# KiCad board Rogelio Pineda - connect 7 AMLDC-2044B.kicad_pcb (continued)
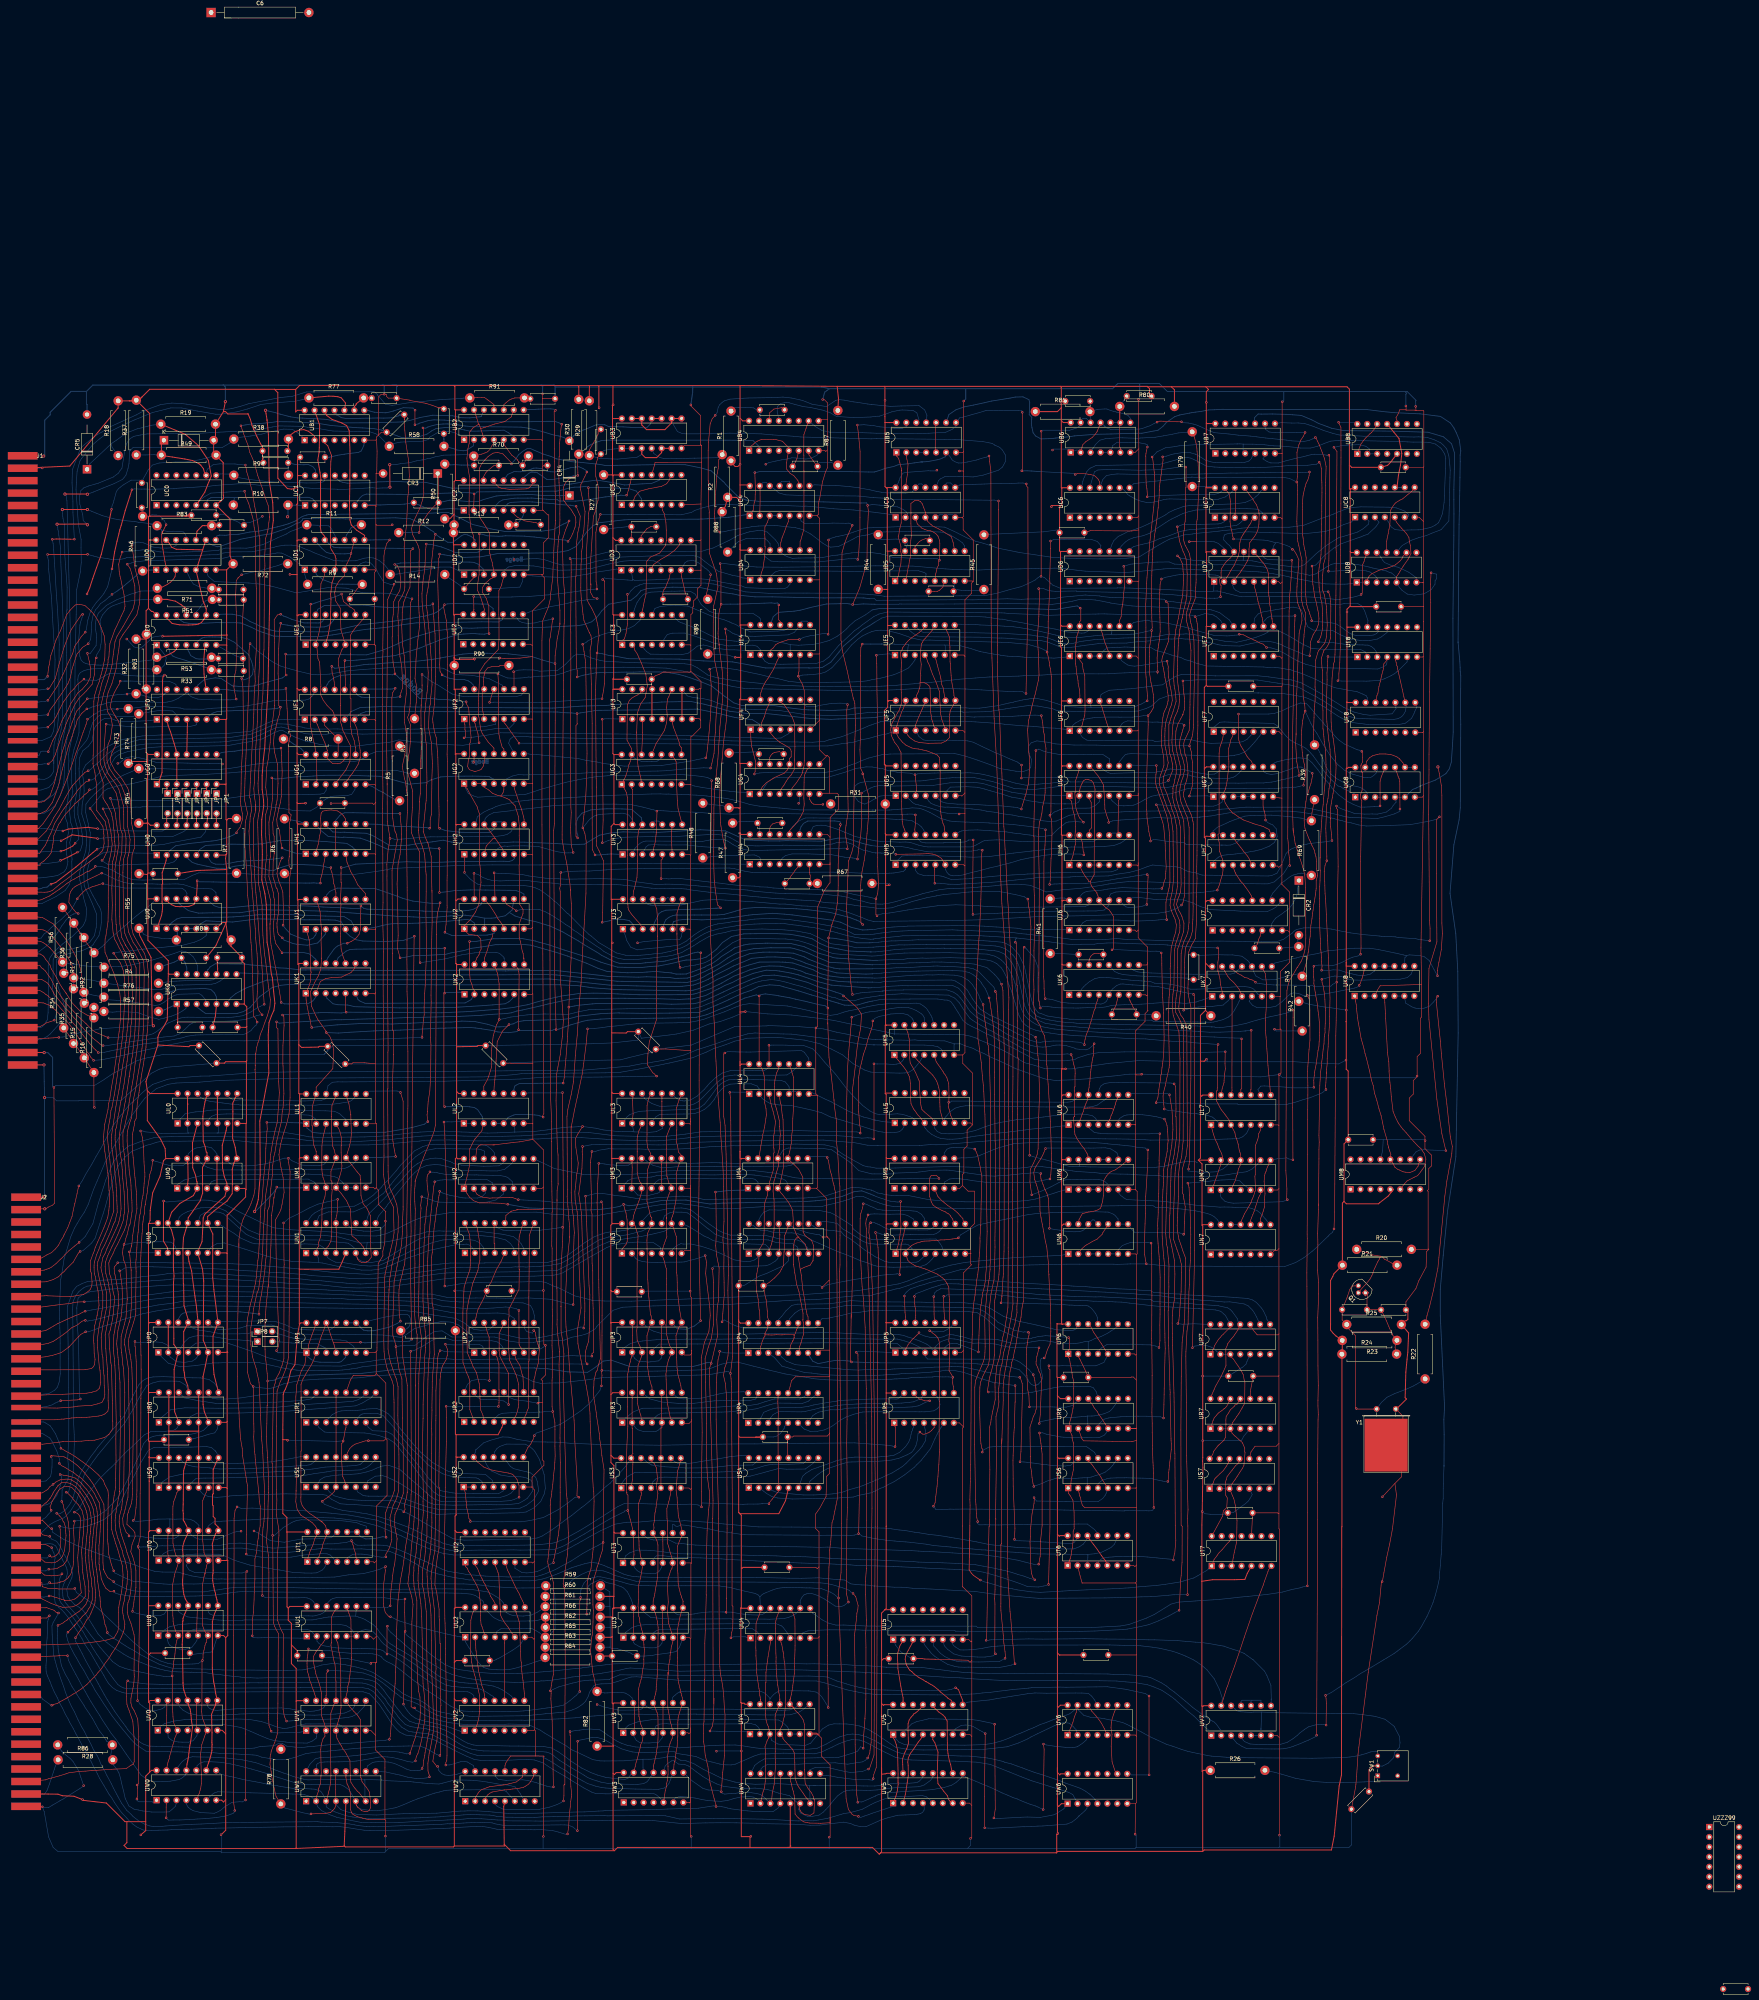
[diagram p0: board, top side]
## Routing (per net, layer and track width the routed paths; a pad name or vN(x,y) marks a point on that pad's centre or on a via; arc(x,y) is an arc through that point) (continued)
  Bottom w0.15: UN3.13 231.4,194.66 230.49,193.71 228.29,193.38 226.71,193.32 224.3,192.86 221.72,191.87 219.42,190.45 214.88,187.12 213.46,186.39 209.89,185.37 204.5,185.27 202.87,185.26 201.78,185.26 193.86,185.26 193.81,185.21 185.11,185.21 182.56,184.97 178.48,184.5 172.17,183.27 168.32,182.69 165.82,182.45 163.99,182.31 155.59,182.78 153.99,182.93 151.21,183.25 149.64,183.44 145.23,183.8 139.97,184.27 136.03,184.62 134.34,184.75 129.3,185.01 128.23,185.05 127.22,185.05 115.46,185.25 114.16,185.24 109.51,185.36 107.5,185.36 106.39,185.3 106.13,185.3 105.02,185.27 102.32,185.3 100.86,185.42 v1(100.02,185.29)
~{DATA4}: length 277.8
  Top w0.15: US3.8 243.9,135.11 243.58,133.73 243.07,132.07 242.7,127.21 242.96,125.22 243.02,123.96 243.15,122.58 243.27,120.67 UT3.8 244.12,115.44 243.87,114.96 243.01,112.8 243.12,108.08 243.08,106.7 243.15,106.01 243.23,103.39 243.46,102.19 243.85,100.62 244.08,100.03 244.14,99.7 244.52,98.81 244.46,98.75 UU3.8 244.01,95.95 243.73,95.04 243.36,93.22 243.25,92.73 243.11,91.75 243.09,90.39 243.09,84.38 243.1,84.36 243.08,83.35 243.16,80.26 243.16,79.13 243.19,79.09 243.34,78.01 243.75,76.3 243.84,75.54 243.98,75.39 244.12,74.79 244.27,74.18 UV3.8 244.05,71.86 243.59,70.48 243.23,69.22 243.17,68.37 243.13,67.85 243.14,67.04 243.14,64.4 243.13,64.13 243.06,63.26 242.97,61.73 242.71,60.52 242.53,59 242.43,58.16 242.3,57.82 242.16,57.16 UW3.9 ; 85.87,105.83 85.89,105.85 v1(85.78,105.85) 85.78,105.74 85.63,105.59 84.63,105.44 83.51,105.36 83.16,105.31 82.62,105.38 81.27,105.52 79.92,106.77 J2.61
  Bottom w0.15: v1(85.78,105.85) 85.26,104.77 85.06,103.94 85.07,101.84 85.05,100.63 85.1,99.2 85.55,98.39 86.29,97.5 86.55,97.18 87.87,95.73 88.47,94.9 89.18,93.88 89.68,93.12 91.24,90.93 91.8,89.9 92.65,88.59 93.52,87.08 94.67,85.31 95.07,84.73 96,83.32 96.63,82.33 97.29,81.32 98.9,79.04 100.07,77.53 100.72,77.07 101.45,76.69 102.49,76.49 103.03,76.47 106.39,76.5 107.74,76.49 108.35,76.51 116.59,76.58 117.55,76.56 118.22,76.59 126.71,76.59 128.03,76.64 138.99,76.7 139.02,76.73 146.71,76.73 146.72,76.75 162.65,76.75 164.13,76.46 165.33,75.76 166.96,73.93 167.87,72.78 169.09,70.95 169.55,70.36 169.91,69.79 171.51,67.75 171.84,67.45 172.56,66.68 173.27,66.25 174.3,65.64 175.43,65.43 177.03,65.21 178.21,65.11 178.83,65.04 179.67,64.91 180.55,64.67 182.74,63.5 184.46,62.69 186.18,61.73 187.22,61.25 189.48,60.27 190.16,59.97 191.83,59.48 193,59.37 201.47,59.39 201.5,59.36 207.21,59.43 208.27,59.18 209.47,58.58 210.31,58.12 211.36,57.5 212.72,56.61 213.24,56.28 214.59,55.51 215.31,54.99 216.66,54.17 217.21,53.84 218.87,52.93 220.09,52.27 221.59,51.78 222.16,51.59 223.67,51.26 224.63,51.13 225.54,51.07 232.34,50.86 233.8,50.84 238.18,50.79 239.61,51.11 240.31,51.57 240.86,52.27 241.25,53.19 241.42,53.69 241.65,54.33 UW3.9
~{DATA5}: length 280.7
  Top w0.15: J2.57 80.66,113.28 81.65,113.28 82.29,112.96 v1(83.15,112.5) 83.16,112.46 ; 240.65,56.67 240.63,56.69 ; 240.63,56.69 240.65,54.68 240.47,53.08 240.26,52.21 240.21,51.46 239.93,50.43 UW3.5 ; 240.63,56.69 240.51,59.22 240.83,61.21 241.17,62.57 241.7,63.82 241.9,65.22 241.52,67.12 241.21,67.98 241.04,69.13 240.57,71.68 240.57,76.26 240.52,77.57 240.6,79.48 240.64,80.68 240.68,80.15 240.84,82.67 241.13,84 241.15,84.97 241.31,85.79 241.48,87.21 241.85,88.4 241.92,89.52 241.58,90.66 240.81,93.14 240.74,93.59 240.49,96.4 240.7,98.64 240.48,102.74 240.65,104.55 240.99,105.61 241.3,106.62 241.66,107.29 UT3.6 241.59,110.11 241.26,111 240.81,112.71 240.49,113.68 240.49,119.25 240.38,119.89 240.33,122.49 240.81,124.21 241.04,125.13 241.21,125.96 241.36,126.95 US3.6
  Bottom w0.15: UW3.5 238.63,48.54 238.22,48.91 237.51,49.47 237.02,49.68 236.09,49.69 224.55,49.64 222.03,49.77 221.12,50.08 219.15,51.13 217.32,52.23 216.37,52.81 214.11,54.23 213.1,54.8 212.07,55.38 210.04,56.63 208.7,57.54 206.46,58.3 204.92,58.4 204.41,58.45 198.44,58.16 192.68,58.19 191.07,58.45 189.17,59.26 188.25,59.68 186.65,60.44 185.54,61.02 184.75,61.46 183.02,62.3 181.57,63.07 180.77,63.46 179.14,63.9 177.97,64.03 174.63,64.55 173.68,64.63 172.98,64.93 172.02,65.43 171.21,66.2 170.1,67.47 168.96,69.31 167.47,71.57 166.83,72.46 165.88,73.58 165.29,74.26 164.34,75.2 162.71,75.71 160.55,75.72 158.59,75.72 157.19,75.75 153.09,75.73 140.49,75.7 137.87,75.71 123.56,75.62 122.42,75.57 121.18,75.6 107.64,75.37 105.09,75.37 103.49,75.33 102.67,75.29 101.41,75.46 99.73,76.07 98.68,76.76 97.65,77.86 96.88,79.11 96.48,79.87 95.64,81.3 94.7,82.85 93.03,85.72 92.53,86.47 91.56,87.93 90.92,89.22 89.57,91.4 88.73,92.54 87.4,94.64 86.32,96.02 85.55,96.8 84.92,97.3 84.04,98.44 83.87,99.88 83.83,102.56 83.84,102.93 83.73,107 83.87,109.02 84.04,109.89 83.7,111.19 83.29,111.91 v1(83.15,112.5)
~{DATA6}: length 276.4
  Top w0.15: 237.61,128.1 237.95,130.15 237.67,132.89 237.11,134 236.28,134.72 US3.11 ; 102.64,78.48 102.66,78.5 v1(102.57,78.5) 102.57,78.41 102.33,78.17 102.25,75.22 102.27,74.53 102.37,72.56 102.51,72.03 102.93,70.95 103.88,68.17 104.25,63.42 104.24,57.82 103.96,57.19 103.43,56.96 102.17,56.08 99.33,55.96 98.37,55.91 94.48,55.64 93.69,55.55 93.38,55.58 91.8,55.44 90.26,55.38 87.57,55.02 86.91,54.8 85.12,54.23 83.02,53.66 82.44,53.53 81.53,53.2 J2.95 ; 237.83,79.49 237.85,79.51 ; 237.85,79.51 237.79,78.67 237.72,77.65 237.61,76.99 237.63,76.39 237.56,75.82 237.44,75.14 237.26,74.52 237.11,73.92 UV3.11 237.55,71.06 237.82,70.48 237.95,69.87 238.06,69.33 238.12,65.19 238.07,63.61 238.01,62.42 237.82,61.31 237.7,60.48 237.61,59.77 237.49,59.1 237.28,58.28 237.07,57.38 236.92,56.89 236.94,56.73 UW3.11 ; 237.85,79.51 237.96,81.26 237.93,82.26 237.98,83.2 238.03,83.91 238.11,92.09 237.96,93.26 237.92,93.7 237.66,94.69 237.43,95.74 237.14,96.18 UU3.11 236.84,98.9 237.05,99.81 237.17,100.26 237.26,100.81 237.43,101.84 237.57,102.7 237.71,103.38 237.94,104.82 238.06,106.58 238.06,113.2 237.78,114.38 237.26,115.36 236.76,115.63 UT3.11 237.06,117.55 236.96,118.42 237.17,119.49 237.29,121.38 237.41,121.76 237.57,122.81 237.83,124.75 238.05,126.38 237.6,128.22
  Bottom w0.15: UW3.11 236.4,54.27 236.19,53.98 235.64,53.18 235.25,52.7 234.41,52.26 232.92,52.05 229.04,52.11 229.03,52.12 228.31,52.21 226.93,52.22 225.34,52.29 223.5,52.63 222.49,52.94 221.33,53.3 220.11,53.79 219.23,54.36 218.09,55.07 217.08,55.63 215.54,56.52 214.46,57.24 212.98,58.17 212.85,58.24 212.72,58.35 211.98,58.92 211.52,59.33 210.57,59.96 209.6,60.3 207.47,60.5 193.51,60.59 191.77,60.82 190.46,61.04 189.17,61.46 188.29,61.85 187.32,62.42 186.34,63.04 184.61,64.08 183.31,64.7 181.73,65.44 179.56,66.05 178.85,66.25 176.56,66.55 174.77,66.84 173.5,67.35 172.1,68.8 171.89,69.07 171.54,69.51 171.24,69.97 170.69,70.63 169.9,71.73 169.11,72.67 168.3,73.98 167.76,74.53 167.41,74.94 166.89,75.5 166.34,76.22 165.62,76.83 165.09,77.17 163.9,77.64 162.52,77.95 153.05,78.12 152.26,78.11 142.39,78.08 142.35,78.04 136.07,77.99 135.85,78 133.77,78 133.05,77.95 132.32,77.97 131.16,77.94 126.83,77.82 125.1,77.78 113.91,77.62 113.89,77.64 112.84,77.6 111.48,77.57 110.8,77.62 107.33,77.71 106.3,77.84 105.12,77.98 103.89,78.15 102.99,78.22 v1(102.57,78.5)
~{DATA7}: length 259.2
  Top w0.15: 82.68,115.38 82.67,115.38 v1(82.65,115.4) 82.63,115.38 81.33,115.69 80.86,115.79 80.36,116.29 J2.55 ; UW3.13 232.24,56.59 232.5,57.74 232.76,58.46 233.11,59.86 233.58,61.65 233.62,62.11 234.14,63.25 UV3.3 234.11,66.36 233.61,67.54 233.4,68.66 233.22,69.42 233.19,69.53 233.2,70.61 233.15,71.17 233.17,72.95 233.05,76.24 233.44,77.76 233.72,78.74 233.96,79.54 233.94,79.64 234.2,81.61 234.46,82.59 234.46,83.93 234.44,83.96 234.61,86.5 234.51,87.05 234.48,87.77 UU3.3 234.13,90.91 233.84,91.76 233.7,92.46 233.43,93.47 233.37,94.45 233.16,95.03 233.11,96.38 233.1,97.29 232.97,97.42 233.08,99.36 233.05,101.19 233.15,102.95 233.58,104.73 233.89,106.28 234.07,107.5 UT3.3 233.9,109.78 233.59,110.15 233.47,111.48 233.26,112.3 233.23,113.03 233.22,114.2 233.05,116.48 233.05,122.32 233.09,123.73 233.49,124.87 233.74,125.8 233.92,126.45 233.74,126.62 US3.3
  Bottom w0.15: 91.62,95.86 92.32,94.78 93.7,92.59 95,90.48 96.58,88.82 97.32,88.21 98.83,87.08 99.55,86.63 101.52,85.34 102.67,84.65 103.85,84.12 105.34,83.45 107.34,82.64 108.67,82.12 109.78,81.82 110.72,81.52 112.03,81.21 113.59,80.92 115.14,80.8 118.62,80.69 118.79,80.71 119.34,80.67 120.14,80.66 121.33,80.6 122.48,80.59 124.43,80.23 126.27,80.07 127.72,79.85 128.61,79.76 129.32,79.67 130.1,79.66 131.43,79.47 132.49,79.28 133.89,79.29 135.63,79.21 138.54,79.29 141.8,79.28 155.07,79.29 162.17,79.1 164.69,78.66 165.52,78.37 166.34,77.85 166.79,77.48 167.47,76.7 168.01,76.12 168.45,75.45 168.94,74.77 169.39,74.21 170.1,73.31 171.36,71.58 172.09,70.69 172.93,69.58 174.58,68.19 176.12,67.66 178.17,67.31 178.8,67.2 181.23,66.68 181.97,66.55 183.02,66.13 183.55,65.95 183.93,65.81 185.62,64.88 186.83,64.05 188.24,63.18 189.48,62.57 190.37,62.29 190.99,62.11 191.65,62.02 192.08,62.04 200.04,61.85 202.5,61.84 206.98,61.79 208.78,61.75 210.84,61.37 212.5,60.42 214.31,59.18 215.89,57.98 217.48,56.93 218.56,56.23 220.94,55.05 222.61,54.43 224.75,53.84 227.73,53.48 229.57,53.31 230.39,53.59 231.12,54.57 UW3.13 ; 91.7,95.78 91.08,96.55 90.19,97.27 88.91,98.05 87.72,99.38 87.25,100.16 87,101.86 87.21,102.47 87.73,103.58 88.3,104.85 88.48,105.85 88.19,107.26 87.48,108.75 86.81,110.01 86.32,110.79 85.73,112.03 85.07,113.2 84.44,114.12 83.08,114.73 v1(82.65,115.4)
~{DATA8}: length 151.2
  Top w0.15: v1(85.18,117.97) 85.33,117.1 85.38,115.19 85.5,114.78 85.39,112.88 85.22,112.03 85,111.25 84.5,110.75 84.24,110.47 83.69,110.17 83.1,110.11 v1(82.61,110.46)
  Top w0.25: US0.8 125.36,134.6 124.42,132.47 124.42,126.35 124.47,126.3 124.25,126.07 124.25,123.38 124.42,123.21 124.42,120.46 124.9,119.98 124.9,118.58 125.74,117.74 UT0.8 125.05,116.16 124.63,115.05 124.22,113.55 124.18,113.19 124.27,112.96 124.41,106.73 124.38,105.96 124.28,105.49 124.29,104.09 124.46,103.06 124.58,102.57 124.76,101.53 125,100.92 125.01,100.52 125.2,99.87 125.36,99.25 UU0.8 125.19,96.65 124.76,95.63 124.44,94.63 124.22,93.61 124.21,81.73 124.25,80.79 124.55,78.2 124.67,77.68 124.77,77.21 125.05,75.27 UV0.8 125,72.99 125.07,72.5 124,69.95 124.12,65.23 124.09,63.15 124.09,62.68 124.14,62.26 124.1,61.84 124.1,60.76 123.91,59.87 123.62,58.74 123.34,57.88 123.22,57.52 122.99,56.92 UW0.9
  Bottom w0.15: 125.06,137.12 123.98,138.07 122.72,138.33 118.74,138.2 110.67,138.1 109.34,138.14 107.83,137.34 105.72,133.9 105.1,132.55 103.34,129.2 100.32,123.39 99.02,122.02 98.37,121.16 96.65,119.79 94.91,118.97 92.31,118.05 90.91,117.73 87.96,117.44 86.55,117.64 v1(85.18,117.97) ; US0.8 125.3,136.81 124.91,137.28 ; v1(82.61,110.46) 82.53,110.38 82.01,109.88 J2.60
~{DATA9}: length 136.7
  Top w0.15: UW0.5 120.47,48.39 120.56,49.15 120.87,49.82 121.08,50.6 121.24,51.09 121.4,52.26 121.4,53.45 121.38,54.69 121.2,59.79 121.5,62.17 122.19,64.2 122.4,64.86 122.51,65.42 UV0.6 122.36,67.17 122.06,68 121.92,68.36 121.65,68.97 121.46,70.68 121.54,72.26 121.57,83.43 v1(121.68,83.71) 121.83,84.36 121.82,85.26 122.02,86.15 122.23,86.97 122.33,87.6 122.62,88.35 122.64,88.32 122.78,89.04 UU0.6 122.39,90.99 122.15,91.33 121.76,92.49 121.72,92.78 121.73,93.22 121.67,102.94 122.11,105.21 122.34,106.01 122.3,105.78 122.45,106.63 122.59,107.18 122.73,107.62 122.77,108.04 UT0.6 122.41,110.45 122.21,110.78 122.07,111.23 122.04,111.88 121.88,112.71 121.76,114.21 121.67,115.35 121.74,115.65 121.74,124.51 122.08,125.38 122.17,125.61 122.65,126.69 122.73,127.32 US0.6 ; 89.17,102.06 89.21,102.1 v1(89.06,102.1) 89.06,101.95 89.07,101.96 84.91,101.96 84.26,102.1 82.15,102.14 80.75,102.54 80.64,103.59 J2.63
  Bottom w0.15: v1(89.06,102.1) 89.5,101.04 91.05,99.94 92.02,99.35 93.59,98.17 94.6,97.32 95.45,96.59 96.66,95.37 96.93,95.12 100.16,92.06 100.92,91.32 101.59,90.72 104.19,88.25 104.97,87.62 107.73,85.38 109.09,84.48 111.07,83.54 112.79,82.99 114.23,82.72 117.11,82.75 119.07,82.8 119.77,82.84 120.65,82.94 v1(121.68,83.71)
~{DATA10}: length 157
  Top w0.15: J2.75 80.9,84.67 81.5,84.75 84.79,84.87 84.99,84.92 85.14,84.93 v1(87.2,84.91) 87.21,84.93 87.24,84.95
  Top w0.25: 116.71,77.94 116.56,86.3 116.5,87.78 116.62,89.59 116.59,92.41 116.58,92.42 116.64,93.72 116.73,93.89 116.68,94.4 117.19,95.7 117.72,96.87 UU0.11 117.76,98.62 117.28,99.44 116.91,100.63 116.7,102.1 116.64,102.95 116.61,102.98 116.61,104.22 116.73,105.83 116.71,110.8 116.62,111.83 116.65,112.79 117.01,114.14 117.7,115.64 UT0.11 117.57,118.14 117.03,119.17 116.77,119.6 116.79,121.24 116.7,121.97 116.76,123.62 116.8,127.39 116.8,130.33 116.86,132.17 117.02,132.83 117.13,133.12 117.58,134.75 118.17,134.9 US0.11 ; 116.71,77.94 116.7,77.92 ; 116.71,77.94 116.76,77.19 116.94,76.08 117.36,74.81 UV0.11 118.07,72.31 118.54,71.26 118.76,69.64 118.82,68.65 119.12,66.62 118.7,63.32 118.6,62.57 118.45,62 118.28,60.62 118.18,59.91 118.13,59.16 118,58.54 117.91,58.03 117.73,57.22 UW0.11
  Bottom w0.15: UT0.11 118.81,115.72 119.39,115.35 119.93,115 120.86,114.68 125.5,114.65 127.64,115.61 129.65,116.42 130.48,116.62 130.8,116.68 v1(131.53,116.72) 131.79,116.72 ; UW0.11 117.21,54.33 116.55,53.75 115.75,53.31 113.46,52.87 111.34,52.8 109.37,52.81 107.66,53.22 105.97,54.45 104.99,55.87 102.2,59.78 100.74,61.92 99.53,63.64 98.35,65.1 96.81,67.44 95.89,68.84 95.46,69.59 94.67,70.82 93.19,73.17 92.42,74.52 91.74,75.74 90.97,77.05 90.05,78.8 89.33,80.11 88.14,82.31 87.43,83.81 v1(87.2,84.91)
~{DATA11}: length 173.6
  Top w0.15: UW0.13 112.7,57.02 112.88,57.75 113.05,58.28 113.22,58.69 113.25,59.12 113.6,60.28 114.13,62.19 114.35,62.78 114.54,63.73 114.95,64.68 UV0.3 114.49,67.26 114.25,68.23 114.14,69.36 114.1,70.51 114.04,71.09 114.02,71.48 113.96,71.83 113.96,79.72 v1(113.93,79.74) 113.96,79.77 113.96,79.81 113.92,79.85 113.92,80.76 114.07,81.16 114.27,82.28 114.26,82.8 114.35,83.54 114.59,84.76 114.65,85.37 114.75,86.42 114.9,87.8 115.13,88.84 UU0.3 114.85,91.13 114.68,91.61 114.48,92.25 114.35,92.84 114.25,93.21 114.17,93.73 114.18,94.37 114.1,95.14 114,102.78 114.46,105.08 114.53,105.63 115.02,107.08 115.33,107.95 UT0.3 115.58,109.81 114.89,110.5 114.91,110.52 114.54,111.73 114.14,113.66 114.11,121 114.12,123.01 114.34,124.31 114.7,125.24 114.86,125.7 115.12,126.55 115.49,127.04 US0.3
  Bottom w0.15: J2.58 80.54,113.35 81.02,113.41 82.16,113.5 82.69,113.53 83.38,113.42 84.2,112.94 84.71,111.95 85.27,110.7 85.91,109.45 85.88,109.6 85.99,109.28 86.47,108.45 86.91,107.47 87.06,106.99 87.17,105.92 86.87,104.65 86.43,103.61 86.15,103.04 85.93,102.07 85.95,101.57 85.96,100.99 86.01,100.21 86.08,99.71 86.69,98.43 87.07,98.03 87.71,97.21 88.01,96.91 88.6,96.31 89.65,95.07 90.49,93.89 91.31,92.64 92.13,91.53 93.08,90.22 94.06,88.97 95.5,87.12 96.39,86.07 98.73,83.38 100.45,82.2 101.85,81.7 102.97,81.37 104.15,81.1 105.63,80.78 106.7,80.56 107.84,80.32 108.81,80.1 110,79.94 111.73,79.66 112.45,79.65 113.19,79.62 v1(113.93,79.74) ; UT1.3 153.08,107.86 152.86,107.41 152.34,106.82 150.9,106.09 149.54,106.02 147.79,106.04 144.64,106.22 143.37,106.44 141.38,106.81 139.97,107.01 135.56,107.73 133.66,108.09 130.93,108.94 129.46,109.45 127.42,110.38 125.87,110.83 119.8,110.87 119.78,110.85 117.61,110.75 116.34,110.14 UT0.3
~{DATA12}: length 197.4
  Top w0.15: J2.59 80.12,109.94 81.4,108.83 83.19,108.63 84.06,108.76 84.6,109.06 85.22,109.51 85.67,109.99 85.93,110.37 86.44,111.77 86.82,115.62 86.77,116.13 86.7,116.77 86.62,117.93 86.32,118.93 86.08,119.24 85.81,119.88 85.27,120.51 85.18,120.63 v1(84.43,121.29) 84.43,121.38 84.5,121.31
  Top w0.25: UR0.8 124.63,156.72 124.38,159.8 124.38,166.53 UP0.8 124.6,178.38 124.28,181.5 124.31,192.63 UN0.9 123,197.09 124.6,198.47 125.85,199.45 127.96,201.05 129.28,202.94 129.34,205.97 129.3,209.17 129.61,210.47 129.93,211.19 UM0.8 130.06,214.74 129.38,217.05 129.44,223.85 129.41,226.03 UL0.8
  Bottom w0.15: v1(84.43,121.29) 85.44,121.29 86.62,122.07 87.76,123.58 88.07,124.11 88.64,125.33 89.61,129.06 89.91,130.16 90.89,132.31 92.28,134.46 93.05,135.63 94.26,137.21 94.92,138.16 95.97,139.38 99.01,142.95 100.25,144.42 101.61,146.05 103.31,149.87 103.95,151.31 105.46,154.18 106.3,155.05 106.91,155.44 107.59,155.81 109.05,156.12 111.77,156.18 119.07,155.89 121.2,155.87 123.37,155.44 124.67,154.54 125.48,153.5 UR0.8 ; UP1.11 155.39,168.9 154.78,168.5 154.08,168.05 148.26,168.15 147.17,168.25 144.83,168.52 142.85,169.43 140.7,170.15 140.12,170.33 138.96,170.32 135.89,170.4 134.25,170.37 132.65,170.34 128.48,170.3 126.39,170.33 UP0.8
~{DATA13}: length 153.7
  Top w0.15: v1(82.61,103.62) 82.84,103.39 84.59,103.48 85.06,103.58 85.34,103.77 85.29,103.72 86.07,103.89 87.14,104.6 87.51,105.02 87.51,105.09 87.9,105.56 88.21,106.17 88.32,106.85 88.56,107.47 88.76,108.86 88.81,113.17 88.88,114.36 88.74,116.86 88.82,118.22 88.96,118.91 v1(88.93,119.3)
  Top w0.25: UL0.6 127.71,218.98 126.74,215.31 126.8,209.48 126.96,208.67 127.26,207.24 127.92,205.6 UM0.6 127.41,202.25 122.41,197.81 122.18,197.51 121.87,196.71 121.58,190.7 120.82,188.92 UN0.5 121.69,183.65 121.99,180.62 121.88,165.49 122.45,164.11 UP0.6 122.41,158.89 121.8,156.12 121.83,156.09 121.83,149.05 122.14,147.26 UR0.6
  Bottom w0.15: J2.64 81.21,103.17 82,103.24 ; 82,103.24 82.1,103.25 ; 82,103.24 82.23,103.24 v1(82.61,103.62) ; 122.58,143.1 121.95,142.5 120.71,141.95 118.04,141.3 113.98,141.24 110.68,141.24 109.15,140.95 108.44,140.67 107.61,140.19 106.64,139.08 105.52,136.14 103.16,131.13 102.17,129.15 100.16,125.38 97.05,122.04 95.07,120.75 92.04,119.63 v1(88.93,119.3) ; 122.64,143.14 123.05,143.61 UR0.6
~{DATA14}: length 161.4
  Top w0.25: UL0.11 122.33,226.39 122.01,224.6 121.78,222.58 121.88,216.23 122.35,214.94 122.65,213.55 122.84,213.36 UM0.11 122.18,210.61 121.91,210.04 121.68,209.66 121.72,203.05 121.71,203.04 121.11,201.12 118.05,196.79 UN0.11 117.35,193.48 116.83,191.72 116.68,189.05 116.79,179.98 116.85,179.92 116.95,174.37 118,170.86 UP0.11 116.88,167.7 116.9,157.87 117.03,157.32 117.2,155.72 117.9,153.96 UR0.11
  Bottom w0.15: UP0.11 118.4,169.26 119.27,168.53 120.9,168.04 123,167.76 126.45,167.11 ; UR0.11 117.51,153.95 115.85,154.95 115.08,155.04 113.41,155.06 110.83,155.06 108.93,154.57 107.5,153.98 105.55,150.97 103.99,147.89 102.89,146.13 101.87,144.39 98.75,140.74 95,136.24 93.62,134.37 91.61,131.46 90.78,129.17 90.22,126.6 89.76,125.38 89.45,124.26 87.93,121.85 86.35,120.18 84.75,119.48 83.75,119.03 82.7,118.41 80.48,116.29 J2.56 ; 126.45,167.11 126.71,167.11 126.74,167.14 ; 126.45,167.11 131.08,167.11 132.33,167.2 133.37,167.23 JP7.1
~{DATA15}: length 177.2
  Top w0.15: v1(82.48,100.17) 83.06,100.17 83.69,99.95 84.34,99.77 85.72,99.31 86.54,99.09 86.35,99.08 87.69,98.96 89.08,99.4 89.78,99.94 90.72,100.97 90.35,104.21 90.24,104.82 90.03,106.48 89.94,107.61 89.8,109.93 89.96,112.04 90.22,115.21 90.41,117.73 90.56,119.31 90.36,120.55 89.74,121.29 88.93,121.56 v1(88.93,121.58)
  Top w0.25: UL0.3 119.13,215.9 119.18,209.54 119.89,207.66 120.24,205.97 120.3,205.9 UM0.3 119.34,202.42 115.89,200.43 113.8,198.18 UN0.13 113.75,193.68 114.38,191.29 114.25,189.12 114.25,184.12 114.41,181.89 114.28,180.25 114.36,165.92 114.36,164.44 114.91,163.64 UP0.3 114.44,158.03 114.52,148.87 114.57,147.22 UR0.3
  Bottom w0.15: UP0.3 116.48,164.06 117.12,165.08 118.24,166.1 119.53,166.51 120.72,166.68 122.93,166.54 123.7,166.54 126.66,166.01 127.32,165.92 128.66,165.66 130.96,165.57 133.45,165.36 133.88,165.3 JP8.1 ; J2.66 81.16,99.87 v1(82.48,100.17) ; v1(88.93,121.58) 90.01,122.3 92.33,126.14 94.39,128.87 95.35,130.09 97.37,132.11 97.64,132.36 98.48,133.12 102.07,136.82 102.55,137.32 103,137.65 106.87,141.36 108.42,142.12 109.71,142.24 112.16,142.23 113.5,142.38 114.32,142.5 114.86,142.78 115.33,143.22 UR0.3
~{DCHA}: length 159.7
  Top w0.25: v2(86.53,381.6) 92.23,381.6 v2(92.28,381.55) 92.33,381.5
  Bottom w0.15: v2(92.28,381.55) 93.81,382.12 96.27,383.14 99.15,384.29 101.21,385.32 101.61,385.75 102.13,386.46 102.65,388.12 102.9,389.33 103.07,392.6 103.96,393.51 126.81,393.55 128.69,394.65 R38.1 130.9,396.05 134.04,396.43 136.87,396.91 138.03,397.28 139.3,397.54 142.35,398.19 144.65,398.14 145.86,397.34 147.15,396.25 UB1.1 ; J1.60 81.24,300.11 82.8,301.01 84.01,302.04 85.26,304.44 86.27,307.69 86.44,311.75 86.64,316.48 86.85,317.86 87.35,320.56 87.6,321.66 87.97,324.27 87.96,325.45 88.01,326.09 88.05,341.69 87.05,379.92 86.82,381.31 v2(86.53,381.6)
~{DCHM0}: length 210
  Top w0.15: v1(96.29,301.22) 96.98,299.59 97.55,298.53 98.26,295.47 98.33,294.88 98.53,293.13 98.62,292.19 98.43,290.72 98,288.51 97.8,287.72 97.63,285.49 97.64,284.41 97.61,280.23 97.6,278.45 97.63,276.79 97.63,276.33 97.55,272.46 97.26,270.43 97.01,268.76 96.81,268 96.73,265.78 96.78,264.57 97.26,263.47 97.78,262.08 98.4,260.73 99.18,258.88 99.36,258.06 99.9,256.63 100.26,255.08 100.55,254.08 100.72,252.25 100.8,251.17 100.71,248.57 100.68,247.08 100.38,244.27 100.12,242.41 99.8,238.91 99.67,237.94 99.02,233.34 98.43,230.08 98.03,227.32 97.71,225.95 97.54,224.4 96.7,220.64 96.39,217.41 96.33,216.23 96.52,215.58 96.72,213.79 97.21,210.58 97.37,208.85 97.49,208.2 97.66,206.9 97.8,203.76 97.95,202.71 97.85,199.69 97.75,198.64 97.47,196.86 96.9,195.31 96.52,194.32 94.94,190.64 94.27,189.14 94.04,188.32 93.78,187.71 93.11,185.9 93,183.49 93.1,183.15 93.27,182.64 93.47,180.41 93.44,179.67 93.33,179.22 93.03,178.49 92.38,177.87 91.27,177.18 89.41,176.87 88.81,176.74 87.62,176.63 82.11,176.84 81.83,176.87 81.29,176.84 J2.17
  Bottom w0.15: v1(96.29,301.22) 97.1,301.22 97.89,301.3 102.58,301.53 104.6,301.65 105.78,301.63 106.43,301.74 110.65,301.74 111.57,301.78 137.91,301.85 142.42,301.24 143.65,301.04 144.74,300.81 145.33,300.74 149.2,300.66 150.89,301.63 C62.1 153.17,303.66 154.37,304.32 155.04,304.44 158.83,304.63 159.81,304.91 160.63,306.16 UG1.6
~{DCHP IN}: length 136
  Bottom w0.15: J1.94 80.32,245.32 80.84,245.64 81.37,246.19 81.71,246.84 82.01,247.28 82.24,249.12 82.33,257.58 82.29,258.56 82.26,261.1 82.6,263.02 83.6,264.45 84.7,265.58 85.94,266.69 88.44,268.62 91.05,271.23 91.28,271.56 91.88,272.83 92.11,275.59 91.28,278.54 90.83,280.71 90.51,282.35 90.34,282.96 90.24,284.54 90.46,285.62 90.71,286.85 91.04,287.84 91.87,290.45 92.01,291.94 92.05,293.21 92.04,293.81 92.09,294.5 91.76,296.94 90.84,299.91 90.93,302.2 91.35,304.59 91.44,305.79 91.35,308.02 91.05,309.81 91.04,310.74 91.32,311.41 91.82,312.41 94.66,314.91 95.99,316.02 97.27,316.99 98.61,317.74 101.13,318.91 106.28,319.84 111,320.06 117.32,320.13 127.55,320.43 133.9,321 138.1,323.06 140.1,323.85 142.57,324.05 143.82,324.01 144.42,324 145.24,324 UF1.1
~{DCHP OUT}: length 156.7
  Top w0.15: J1.93 76.09,245.66 80.27,245.66 81.37,246.24 81.86,246.57 82.8,246.86 83.82,247.19 v1(83.82,247.24) 83.87,247.24 83.92,247.29
  Bottom w0.15: v1(83.82,247.24) 84.31,248.69 84.41,250.58 84.11,251.85 83.33,255.43 83.49,257.32 83.52,262.63 83.9,263.51 84.47,264.3 85.14,264.67 86.67,265.13 89.95,265.83 91.71,266.4 92.85,267.14 94.07,268.81 94.52,270.85 94.6,271.8 94.62,274.32 93.57,276.91 92.39,279.56 91.46,281.55 91.39,284.02 91.31,285.78 91.68,287 92,287.83 92.38,289.06 92.49,289.47 92.68,290.09 92.83,290.8 93.02,295.11 92.7,296.36 92.51,297.4 92.07,299.18 91.84,300.29 91.9,302.41 93.04,303.9 94.24,305.1 97.01,307.45 99.31,308.64 101.43,309.8 R74.1 106.68,311.29 108.49,311.42 109.25,311.41 111.05,311.51 111.67,311.45 115.44,311.31 116.46,311.26 118.68,311.23 125.82,311.24 128.48,311.5 133.42,312.32 135.31,312.63 139.02,312.99 141.73,313.05 158.27,313.27 160.34,313.28 161.58,313.52 162.95,314.18 UG1.8 164.35,315.12 164.72,315.26 165.21,315.47 165.57,315.63 166.19,315.85 171.21,316.11 R5.2
~{DCHR}: length 234.4
  Top w0.15: J2.35 76.63,148.28 84.61,148.16 88.84,148.45 89.86,148.65 93.41,148.87 94.81,149.22 95.98,149.6 96.49,150.49 96.55,150.71 96.73,151.61 96.67,153.37 96.56,153.94 96.55,156.38 96.35,157.69 96.23,161.14 96.04,161.83 95.8,166.24 95.93,167.1 96.22,169.15 96.49,170.27 96.63,171.23 97.2,174 97.2,177.56 96.62,179.82 96.11,182.33 95.85,183.26 95.74,184.1 96.22,186.59 96.86,187.76 97.29,188.96 97.95,190.31 98.59,191.72 99.55,193.78 100.06,194.94 100.32,195.73 100.68,197.31 100.88,199.06 100.63,204.98 100.48,206.4 99.97,210.19 99.72,212.31 99.5,215.31 99.35,216.74 99.36,217.27 99.37,217.74 99.5,219.3 99.72,219.89 100.1,222.57 100.43,224.08 100.76,226.27 101.08,227.54 101.4,229.7 101.65,230.95 102.18,234.98 102.41,236.66 102.74,239.12 102.92,241.1 103.38,244.27 103.36,245.66 103.56,246.55 103.62,247.41 103.79,255.15 103.69,255.25 103.69,257.65 103.69,258.11 103.59,259.75 103.6,260.27 103.43,261.11 103.18,261.84 102.83,262.84 102.36,263.97 101.68,265.1 101.56,265.27 101.12,266.27 100.83,266.73 99.88,268.98 99.66,271.64 99.6,271.7 99.48,275.25 99.46,276.73 99.42,281.72 99.44,282.89 99.42,285 99.32,285.7 99.52,287.39 99.94,289.83 100.06,290.59 100.34,292.26 100.21,294.53 99.99,295.39 99.83,296.87 99.56,298.69 99.46,299.95 99.21,300.91 98.75,302.14 v1(98.15,303.92)
  Bottom w0.15: v1(98.15,303.92) 98.53,303.54 108.49,303.3 109.72,303.37 113.81,303.3 122.01,303.39 125.29,303.42 128.51,303.93 129.6,304.09 134.7,304.81 137.57,304.93 148.77,304.92 149.65,304.91 151.74,304.96 152.73,305.17 153.25,305.88 153.34,306.47 UG1.3
~{DS0}: length 61.4
  Top w0.25: JP2.2 122.97,299.86 122.97,298.85 ; 122.99,299.02 122.97,298.85 ; 122.97,298.85 UH0.9 ; v1(82.97,281.96) 84.2,282.42 89.33,286.35 93.7,290.05 v1(94.75,290.9) 94.79,290.8
  Bottom w0.15: v1(94.75,290.9) 95.8,291.32 98.86,291.76 104.92,291.82 109.24,291.87 111.87,292.15 113.41,292.5 121.29,293.99 122.48,295.37 UH0.9
  Bottom w0.2: J1.72 80.43,280.82 80.92,281.06 81.19,281.15 81.79,281.19 82.1,281.28 ; J1.72 78.48,280.48 78.24,280.25 J1.72
  Bottom w0.25: 82.1,281.28 82.63,281.81
~{DS1}: length 65.9
  Top w0.25: 85.45,288.01 85.4,288.01 v1(85.4,288.06) 85.5,288.01 87.86,289.14 v1(89.77,290.16) 89.58,289.99
  Bottom w0.15: UF0.1 108.36,323.74 101.21,323.44 99.59,323.75 98.18,324.35 96.73,324.29 95.91,323.89 94.49,322.44 94.03,321.74 93.63,319.49 93.49,318.5 92.51,317.19 91.13,316.06 90.32,314.32 90.15,311.44 90.17,310.63 90.18,309.19 90.48,306.79 90.32,304.61 89.85,301.55 89.85,299.74 90.19,298.28 90.62,296.81 90.84,295.32 90.95,294.59 91.08,292.55 90.48,290.5 v1(89.77,290.16) ; v1(85.4,288.06) 84.8,287.63 83.46,287.44 82.22,287.29 80.71,287.2 80.2,287.07 79.57,286.97 J1.68
~{DS2}: length 70.7
  Top w0.25: v1(89.15,292.43) 88.52,291.69 86.32,290.59 v1(85.5,290.41)
  Bottom w0.15: v1(85.5,290.41) 84.42,290.29 83.42,290.31 80.97,290.24 J1.66 ; v1(89.15,292.43) 89.15,292.45 89.96,293.32 89.97,294.79 89.91,295.56 89.85,296.03 89.41,297.48 89.04,299.04 88.88,300.67 88.99,302.14 89.49,305.02 89.47,306.35 89.34,307.33 89.21,310.15 89.23,310.16 89.23,313.54 89.9,316.07 92.08,318.69 92.54,319.64 92.86,320.91 93.13,321.69 93.62,323.19 94.97,324.81 95.45,325.04 95.93,325.3 96.65,325.36 98.17,325.42 99.99,324.75 104.12,324.85 R74.2 107.79,325.85 108.63,326.04 110.67,326.33 112.25,326.33 114.08,326.2 115.15,325.09 UF0.3
~{DS3}: length 71.9
  Top w0.15: v1(82.15,322.07) 83.46,323.38 84.25,324.69 85.29,326.83 86.19,328.56 86.91,329.55 87.89,330.94 88.79,331.81 88.82,331.81 89.66,332.91 v1(91.4,334.35)
  Top w0.25: UG0.1 110.49,307.94 111.11,309.79 111.35,310.47 111.44,327.08 111.48,328.22 111.45,328.86 111.46,332.87 111.49,333.31 111.44,333.7 111.59,334.96 111.98,335.28 v1(111.98,335.37) 112.07,335.37 111.98,335.28
  Bottom w0.15: J1.46 82.1,322.01 v1(82.15,322.07) ; v1(111.98,335.37) 111.26,335.14 110.94,335.11 109.16,335.11 105.07,335.12 105.04,335.15 103.37,335.23 101.66,335.38 100.64,335.73 98.19,335.79 97.36,335.55 96.38,334.94 94.68,334.04 91.66,334.09 v1(91.4,334.35)
~{DS4}: length 41.6
  Top w0.25: 95.06,296.18 94.9,296.18 v1(94.88,296.16) 92.42,296.49 87.54,296.06 85.89,295.55 v1(86.01,295.55) 86.01,295.67 85.99,295.65 ; UH0.13 112.53,299.8 JP6.2
  Bottom w0.15: v1(94.88,296.16) 95.83,295.92 96.63,295.86 104,295.55 111.39,295.54 112.26,296.01 UH0.13 ; v1(86.01,295.55) 84.96,295.66 84.53,295.68 84.04,295.75 83.22,295.86 82.52,296.04 81.26,296.18 80.58,296.12 J1.62
~{DS5}: length 47
  Top w0.25: v1(85.55,293.04) 88.4,294.57 90.74,294.24 94.88,293.67 v1(94.88,293.61) 94.94,293.61 94.97,293.58 ; JP4.2 117.83,299.95 117.83,299 UH0.11
  Bottom w0.15: UH0.11 117.58,296 116.92,295.42 114.06,294.13 102.25,294.08 99.12,294 v1(94.88,293.61) ; J1.64 79.78,293.12 80.78,293.1 82.04,293.12 83.72,293.11 84.62,293.09 v1(85.55,293.04)
~{INTP IN}: length 78.9
  Bottom w0.15: J1.96 80.32,242.23 81.97,243.04 82.77,243.72 83.78,244.81 85.19,246.39 86.17,247.73 86.59,249.39 86.23,251.6 85.64,253.03 85.04,255.04 84.81,255.65 84.54,257.01 84.39,258.3 84.43,262.67 85.47,263.67 85.94,263.73 87.52,264.25 88.86,264.55 90.96,264.98 92.22,265.58 93.11,265.98 93.71,266.48 94.04,267.05 95.23,268.82 95.67,270.75 95.83,272.12 95.9,274.37 95.65,275.52 95.28,276.27 94.85,276.93 94.28,278.03 93.73,278.97 92.63,281.12 92.37,282.42 92.31,283.85 92.31,285.54 92.53,286.64 92.94,287.78 93.74,288.49 95.05,289.23 96.23,289.94 98.51,290.3 104.85,289.9 109.15,289.87 UH0.1
